# Altium PCB PDB_Mother_v1.1_PCB.PcbDoc (part 3 of 3)
Units mil, origin at the board's own origin, x right, y up, seen from the top; angles counter-clockwise.
Board outline 9606.3 x 3228.35 mil, 4 copper layers (Top Layer, GND, POWER, Bottom Layer), stack 23.756 mil thick; 314 components, 233 nets, 1042 pads, 279 vias.
Unrouted connection lines stored in the file: 171.
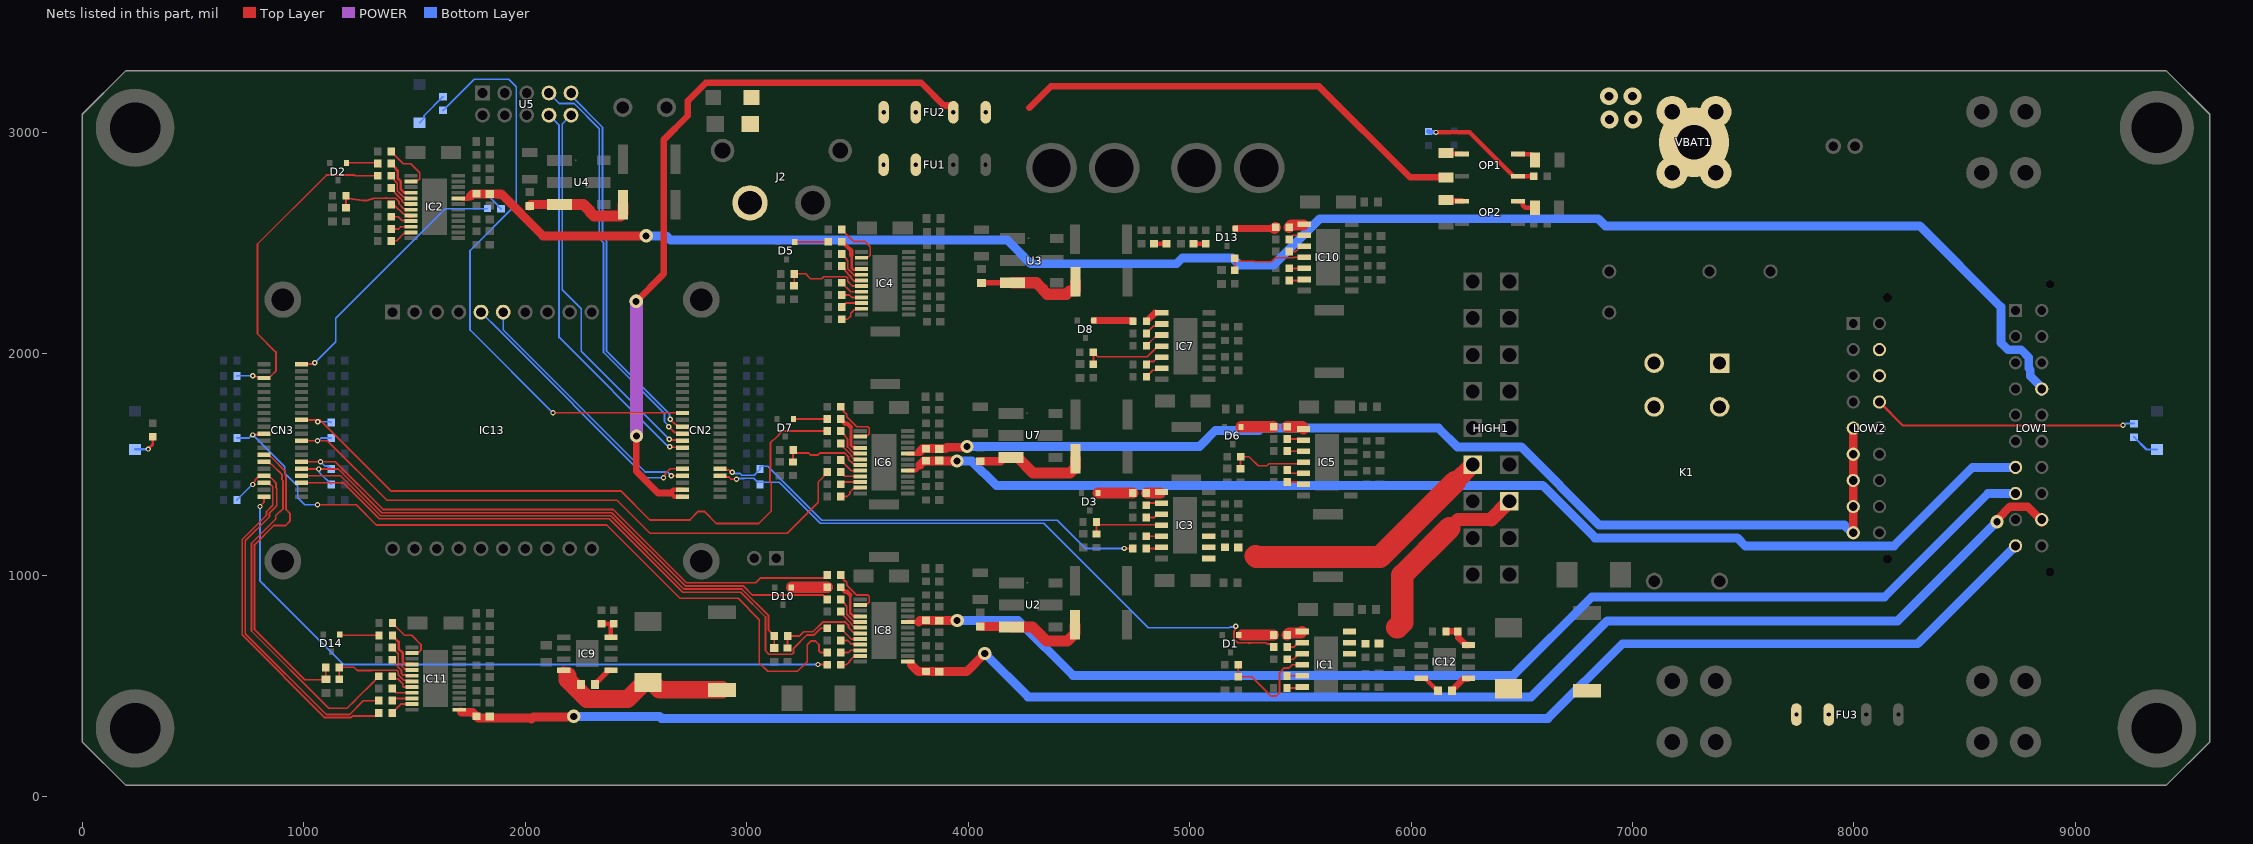
[diagram p4: the nets of this part, all layers, seen from the top]

## Via types
v1: diameter 24, hole 12, Top Layer to Bottom Layer, 120 vias
v2: diameter 60, hole 32, Top Layer to Bottom Layer, 75 vias
v3: diameter 48, hole 24, Top Layer to Bottom Layer, 58 vias
v4: diameter 80, hole 40, Top Layer to Bottom Layer, 12 vias
v5: diameter 314.96, hole 157.48, Top Layer to Bottom Layer, 4 vias
v6: diameter 31.5, hole 31.5, Top Layer to Bottom Layer, 2 vias
v7: diameter 47.24, hole 47.24, Top Layer to Bottom Layer, 2 vias
v8: diameter 80, hole 32, Top Layer to Bottom Layer, 1 vias
v9: diameter 100, hole 50, Top Layer to Bottom Layer, 1 vias
v10: diameter 40, hole 20, Top Layer to Bottom Layer, 1 vias
v11: diameter 48, hole 20, Top Layer to Bottom Layer, 1 vias
v12: diameter 36, hole 20, Top Layer to Bottom Layer, 1 vias
v13: diameter 30, hole 16, Top Layer to Bottom Layer, 1 vias

## Nets (pads, with @x,y where several pads share a name; then routed paths per layer and width w, separated by ;. In a path a pad name is that pad's centre, name@x,y a point inside that pad or via, vN(x,y) a via of type N, cw(c..) or ccw(c..) an arc to the next point about the centre after c; other vN are vias at no path point) (continued)
L4_5V_Backup_EN: CN3.26 R126.2 R131.2 | length 2676.1
  Top Layer w8: CN3.26@990.55,1511.81 990.7,1511.96 1075.58,1511.96 v1(1075.73,1512.11) ; v1@1076.92,1510.92 1078.11,1512.11 1142.1,1512.11 1358.21,1296 2396.99,1296 2727.99,965 3040.23,965 3061.78,986.56 3350.45,986.56 3363.19,999.29 R131.2@3363.19,1000.28
  Bottom Layer w8: v1(1075.73,1512.11) 1095.55,1492.28 1110.76,1492.28 1123.49,1479.55 R126.2@1123.49,1478.57
L4_current_IN6: C46.2 CN3.24 R137.2 | length 2527
  Top Layer w8: CN3.24@990.55,1448.82 1165.79,1448.82 1346.61,1268 2385.4,1268 2716.4,937 2978.4,937 3099,816.4 3099,750.96 3124.21,725.75 C46.2@3124.21,670.28
L4_select0: CN3.23 R127.2 | length 2844
  Top Layer w8: CN3.23@990.55,1417.32 1177.49,1417.32 1340.81,1254 2379.6,1254 2710.6,923 2972.6,923 3085,810.6 3085,657.94 3100.38,642.56 3204.57,642.56 3211.93,649.91 3211.93,669.71 3272.21,730 3305.18,730 3335.18,760 R127.2@3363.98,760
L4_select1: CN3.20 R128.2 | length 3106.4
  Top Layer w8: v1(802,1310) 820.47,1328.47 CN3.20@820.47,1354.33 ; v1(3322,596) 3362.98,596 R128.2@3363.98,595
  Bottom Layer w8: v1(802,1310) 802,975 820,957 822.34,954.66 1181,596 v1(3322,596)
L5_current_IN7: C64.2 CN3.14 R174.2 | length 1429.1
  Top Layer w8: CN3.14@809.7,1543.31 840.16,1543.31 846,1537.46 846,1536.34 850.69,1531.65 854.14,1531.65 916,1469.8 916,1447.78 920,1443.78 920,1296 937.26,1278.74 937.26,1242.76 918.66,1224.16 864.56,1224.16 778,1137.6 778,753.21 1003.69,527.51 C64.2@1099.49,527.51 ; R174.2@1099.49,583.51 1099.49,530.52 C64.2@1100,530.01
L5_select0: CN3.15 R161.2 | length 1653.9
  Top Layer w8: CN3.15@820.47,1511.81 840.16,1511.81 846,1505.97 846,1504.84 850.69,1500.16 854.14,1500.16 902,1452.3 902,1430.28 906,1426.28 906,1299 894.65,1287.65 892.36,1287.65 873.76,1269.06 873.76,1253.16 764,1143.4 764,747.41 1112.94,398.47 1195.06,398.47 1234.45,437.86 1234.45,438.17 1320.03,523.76 1320.03,524.05 1325.26,529.28 1326.24,529.28 1338.98,542.02 R161.2@1338.98,543
L5_select1: CN3.18 R163.2 | length 1535.9
  Top Layer w8: CN3.18@840.16,1417.32 846,1411.48 846,1410.36 850.69,1405.67 854.14,1405.67 860,1399.81 860,1315 831.76,1286.76 831.76,1270.56 722,1160.79 722,730.01 1095.54,356.47 1212.46,356.47 1220.27,364.28 1326.24,364.28 1338.98,377.02 R163.2@1338.98,378
LED_PC12: CN3.40 LED3.1 | length 1191.5
  Top Layer w8: CN3.40@990.55,1952.76 991.49,1953.7 1040.37,1953.7 1045.67,1959 v1(1050,1959)
  Bottom Layer w8: v1(1050,1959) 1144,2053 1144,2160 1638.52,2654.52 LED3.1@1828.7,2654.52
LOGGER_PWR: C45.2 IC8.13 LOW1.19 R140.2 | length 5656.2
  Top Layer w20: IC8.13@3726.77,609.25 3741.86,609.25 3743,608.11 3743,596
  Top Layer w25: LOW1.19@8838.3,1240.48 LOW1.19@8848.11,1230.67
  Top Layer w38: v2(8645.72,1240.89) 8649.93,1245.1 8649.93,1253.55 8705.59,1309.21 8784.11,1309.21 LOW1.19@8843.03,1250.29
  Top Layer w40: 3743,596 3775,564 3993.16,564 v2(4075,645.84)
  Bottom Layer w40: v2(4075,645.84) 4270.84,450 6543,450 6886,793 8197.83,793 v2(8645.72,1240.89)
LOGGER_PWR_EN: CN3.11 R123.2 R135.2 | length 3466.8
  Top Layer w8: v1(770,1633) 772.4,1635.4 818.07,1635.4 CN3.11@820.47,1637.8 ; v1(1062,1318) 1236,1318 1328,1226 2368,1226 2699,895 2961,895 3057,799 3057,603 3094.43,565.57 3229.4,565.57 3273.04,609.2 3273.04,685.81 3289.23,702 3310.77,702 3326,686.77 3326,659.24 3335.24,650 R135.2@3363.98,650
  Bottom Layer w8: R123.2@698.51,1618.55 751.22,1618.55 765.67,1633 v1(770,1633) 913.77,1489.23 913.77,1460.23 972.86,1401.14 972.86,1350.14 1005,1318 v1(1062,1318)
MCU_UBR: C63.2 IC11.13 LOW1.10 R177.2 | length 7371.7
  Top Layer w20: IC11.13@1702.56,391.98 IC11.13@1712.58,391.98
  Top Layer w40: 1712.58,380.83 1751.46,380.83 1751.51,380.78 1761.71,380.78 R177.2@1780,362.49 1788.48,354 2024.79,354 2028.8,350 2037.8,359 2216,359 v2(2219,362)
  Bottom Layer w40: v2(2219,362) 2606.63,362 2615.63,353 6618,353 6955,690 8287.82,690 LOW1.10@8730,1132.18
MCU_UBR_EN: CN3.17 R157.2 R172.2 | length 1763.7
  Top Layer w8: v1(768.94,1409) 768.94,1413.33 780.94,1425.33 780.94,1431.31 786.8,1437.17 789.13,1437.17 796.3,1444.33 835.67,1444.33 840.16,1448.82 846,1442.98 846,1441.85 850.69,1437.17 854.14,1437.17 874,1417.31 874,1395.29 878,1391.29 878,1312.89 845.76,1280.65 845.76,1264.76 736,1154.99 736,735.81 1101.34,370.47 1206.66,370.47 1269.19,433 R172.2@1338.98,433
  Bottom Layer w8: R157.2@698.51,1338.58 698.51,1339.57 767.94,1409 v1(768.94,1409)
NetC37_2: C37.2 R121.1 U2.3 | length 507.9
  Top Layer w40: C37.2@4055,768.5 4191.5,768.5 U2.3@4195,765
  Top Layer w50: U2.3@4195,765 4291,765 4354,702 4448.46,702 4481.89,735.43 R121.1@4481.89,775
NetC38_2: C38.2 R122.1 U3.3 | length 495
  Top Layer w25: C38.2@4060,2318.5 4060.75,2319.25 4199.25,2319.25 U3.3@4200,2320
  Top Layer w50: U3.3@4200,2320 4308.41,2320 4337.7,2290.71 4337.7,2286.49 4355.86,2268.33 4443.75,2268.33 4458.49,2283.07 4481.53,2283.07 4483.89,2285.43 R122.1@4483.89,2325
NetC44_1: C44.1 IC9.1 | length 104.1
  Top Layer w25: C44.1@2314.5,506 2314.5,507.97 2369.48,562.95 2369.48,569.7 2369.78,570 IC9.1@2387,570
NetC44_2: C44.2 D9.1 IC9.8 L1.1 | length 847.8
  Top Layer w50: IC9.8@2173.46,562.82 2191.14,545.14 ; D9.1@2555,515.2 D9.1@2561,515.2 ; L1.1@2889,481.8 L1.1@2915,481.8
  Top Layer w80: 2191.14,545.14 2191.14,526.9 2277.73,440.31 2462.39,440.31 2537.28,515.2 D9.1@2555,515.2 ; D9.1@2561,515.2 2572.72,515.2 2606.12,481.8 L1.1@2889,481.8
NetC50_2: C50.2 R147.1 U4.3 | length 495.7
  Top Layer w25: U4.3@2151.75,2669.75 U4.3@2155,2673
  Top Layer w40: C50.2@2020,2666.5 2026.5,2673 2148.5,2673 U4.3@2151.75,2669.75
  Top Layer w50: U4.3@2155,2673 2263.41,2673 2292.7,2643.71 2292.7,2639.49 2310.86,2621.33 2429.79,2621.33 2441.89,2633.43 R147.1@2441.89,2673
NetC55_1: C55.1 IC12.1 | length 99.5
  Top Layer w30: C55.1@6184.5,478 6184.5,479.97 6236.52,531.99 6257.34,531.99 IC12.1@6259.54,534.2
NetC55_2: C55.2 D12.1 IC12.8 L2.1 | length 99.9
  Top Layer w20: IC12.8@6046,534.2 6063.22,534.2 6109.74,487.69 6113.79,487.69 6121.5,479.97 C55.2@6121.5,478
NetC60_2: C60.2 R167.1 U7.3 | length 482.8
  Top Layer w40: C60.2@4054.21,1513.78 4145.82,1513.78 4162.32,1530.28 U7.3@4194.21,1530.28
  Top Layer w50: U7.3@4225.7,1529.88 4293.59,1462 4460.5,1462 4484.21,1485.71 R167.1@4484.21,1525.28
NetD1_1: D1.1 R24.2 | length 143.5
  Top Layer w50: 5236,730 R24.2@5379.49,730
NetD2_1: D2.1 R53.1 | length 163.6
  Top Layer w8: D2.1@1192.4,2861.74 1330.75,2861.74 1330.75,2860.76 1347.22,2844.28 R53.1@1348.2,2844.28
NetD3_1: D3.1 R55.2 | length 157.3
  Top Layer w50: D3.1@4586.61,1369.88 4587.24,1370.51 R55.2@4743.7,1370.51
NetD4_1: D4.1 FU1.2 FU2.1 J2.2 U1.1
NetD5_1: D5.1 R81.1 | length 153.3
  Top Layer w8: D5.1@3216.61,2504.65 3368.07,2504.65 R81.1@3368.7,2505.28 R81.1@3368.7,2506.26
NetD6_1: D6.1 R85.2 | length 147.3
  Top Layer w50: D6.1@5232.4,1669.37 5233.03,1670 R85.2@5379.49,1670
NetD7_1: D7.1 R108.1 | length 152
  Top Layer w8: D7.1@3211.61,1704.65 R108.1@3363.62,1704.65
NetD8_1: D8.1 R119.2 | length 177.3
  Top Layer w30: D8.1@4567.4,2149.37 4743.86,2149.37 R119.2@4744.49,2150
NetD10_1: D10.1 R141.1 | length 162.3
  Top Layer w50: D10.1@3201.61,944.65 3202.24,945.28 R141.1@3363.7,945.28
NetD13_1: D13.1 R162.2 | length 183.9
  Top Layer w30: D13.1@5206.61,2564.88 R162.2@5382.56,2564.88
  Top Layer w50: R162.2@5382.56,2564.88 R162.2@5388.19,2570.51
NetD14_1: D14.1 R178.1 | length 178.9
  Top Layer w8: D14.1@1162.4,732.37 1166.77,728 R178.1@1339.49,728
NetFU3_1: FU3.1 K1.3 K1.4
NetIC1_1: IC1.1 R24.1 | length 74.6
  Top Layer w50: R24.1@5440.51,730 5449.31,738.8 5503.21,738.8 5508.23,743.82 IC1.1@5508.23,745
NetIC1_2: IC1.2 R14.1 | length 76
  Top Layer w8: R14.1@5440.51,675 5471,675 5491,695 IC1.2@5508.23,695
NetIC1_3: IC1.3 R6.1 | length 80
  Top Layer w8: R6.1@5440.51,620 5469.24,620 5482.21,632.96 5482.21,636.2 5491,645 IC1.3@5508.23,645
NetIC1_4: IC1.4 R21.1 R23.2 | length 490.7
  Top Layer w8: R21.1@5220,595 R23.2@5220,540.51 5280.49,540.51 5352.24,468.76 5352.24,468.14 5358.1,462.28 5358.72,462.28 5367,454 5391.57,454 5406.33,468.76 5406.33,559.92 5427.34,580.93 5450.03,580.93 5464.1,595 IC1.4@5508.23,595
NetIC1_5: IC1.5 R11.1 | length 68.2
  Top Layer w8: R11.1@5440,545 IC1.5@5508.23,545
NetIC1_6: IC1.6 R17.1 | length 70.3
  Top Layer w8: R17.1@5440,490 5503.23,490 IC1.6@5508.23,495
NetIC2_2: IC2.2 R35.1 | length 240.3
  Top Layer w8: R35.1@1395.51,2913 1395.51,2912.02 1449.65,2857.88 1482.63,2857.88 1524.04,2816.47 1524.04,2790.47 1516.31,2782.74 1488.88,2782.74 IC2.2@1484.02,2777.88
NetIC2_4: IC2.4 R53.2 | length 185.8
  Top Layer w12: R53.2@1395.51,2858 1395.51,2857.02 1413.99,2838.54 1413.99,2835.94 1424.24,2825.69 1424.24,2790.49 1438.24,2776.49 1438.24,2741.96 1453.5,2726.7 IC2.4@1484.02,2726.7
NetIC2_5: IC2.5 R39.1 | length 147.3
  Top Layer w8: R39.1@1395.51,2803 1408.24,2790.27 1408.24,2783.86 1422.24,2769.86 1422.24,2735.33 1451.6,2705.97 1464.86,2705.97 IC2.5@1474.58,2696.25
NetIC2_6: IC2.6 R26.1 | length 130.1
  Top Layer w8: R26.1@1395.51,2748 1408.24,2735.27 1408.24,2729.07 1444,2693.32 1444,2688.11 1451.73,2680.38 1479.16,2680.38 IC2.6@1484.02,2675.52 ; IC2.6@1479.16,2668.79 IC2.6@1484.02,2668.79
NetIC2_7: IC2.7 R47.1 R51.2 | length 384.4
  Top Layer w8: R51.2@1190.51,2657 R47.1@1190.51,2713 1203.24,2700.27 1267.72,2691.49 ccw(c1275,2745) 1291.94,2693.73 1313.1,2700.72 1315.1,2700.77 1368.08,2702.3 1374.7,2702.3 1375,2702 1414.59,2702 1430,2686.59 1430,2676.52 1451.73,2654.79 1479.16,2654.79 IC2.7@1484.02,2649.93
NetIC2_8: IC2.8 R31.1 | length 129
  Top Layer w8: R31.1@1395,2673 1397,2671 1409.39,2671 1451.19,2629.2 1479.16,2629.2 IC2.8@1484.02,2624.34 ; IC2.8@1471.71,2617.61 IC2.8@1491.51,2617.61
NetIC2_9: IC2.9 R42.1 | length 97
  Top Layer w8: R42.1@1395,2618 1425.67,2618 1442,2601.67 1481.1,2601.67 IC2.9@1484.02,2598.75
NetIC2_10: IC2.10 R45.1 | length 93.2
  Top Layer w8: R45.1@1395,2563 1427.79,2563 1437.95,2573.16 IC2.10@1484.02,2573.16
NetIC2_11: IC2.11 R32.1 | length 105.4
  Top Layer w8: R32.1@1395,2508 1397.02,2510.02 1419.05,2510.02 1451.73,2542.71 1479.16,2542.71 IC2.11@1484.02,2547.57
NetIC3_1: IC3.1 R55.1 | length 64
  Top Layer w50: R55.1@4804.72,1370.51 IC3.1@4868.74,1370.51
NetIC3_2: IC3.2 R41.1 | length 72.4
  Top Layer w8: R41.1@4804.72,1315.51 4814.21,1325 IC3.2@4873.23,1325
NetIC3_3: IC3.3 R34.1 | length 74.5
  Top Layer w8: R34.1@4804.72,1260.51 4841.52,1260.51 4856,1275 IC3.3@4873.23,1275
NetIC3_4: IC3.4 R48.1 R54.2 | length 355.6
  Top Layer w8: R54.2@4579.21,1185.51 4579.72,1186.02 R48.1@4579.72,1240.51 4579.72,1239.73 4592.45,1227 4871.23,1227 IC3.4@4873.23,1225
NetIC3_5: IC3.5 R38.1 | length 68.7
  Top Layer w8: R38.1@4804.72,1175.51 4872.72,1175.51 IC3.5@4873.23,1175
NetIC3_6: IC3.6 R44.1 | length 70.4
  Top Layer w8: R44.1@4804.72,1120.51 4868.74,1120.51 IC3.6@4873.23,1125
NetIC4_2: IC4.2 R65.1 | length 242.8
  Top Layer w8: R65.1@3429.72,2560.28 3429.72,2559.29 3482.01,2507 3533,2507 3558.02,2481.98 3558.02,2445.77 3550.29,2438.04 3522.86,2438.04 IC4.2@3518,2433.18
NetIC4_4: IC4.4 R81.2 | length 158.2
  Top Layer w12: 3474.99,2444.27 3474.99,2386.96 3483.24,2378.71 IC4.4@3492.33,2378.71
  Top Layer w20: R81.2@3429.72,2505.28 3429.72,2504.29 3436.45,2497.56 3439.51,2497.56 3453.08,2483.99 3471.59,2465.48 3471.59,2444.27
NetIC4_5: IC4.5 R66.1 | length 147.7
  Top Layer w8: R66.1@3429.72,2450.28 3429.72,2449.29 3450.21,2428.8 3450.21,2426.15 3456.45,2419.91 3456.45,2382.73 3485.94,2353.24 IC4.5@3513.37,2353.24
NetIC4_6: IC4.6 R57.1 | length 118.3
  Top Layer w8: R57.1@3429.72,2395.28 3442.45,2382.54 3442.45,2376.35 3470.73,2348.07 3470.73,2342.86 3485.94,2327.65 IC4.6@3513.37,2327.65
NetIC4_7: IC4.7 R75.1 R79.2 | length 398
  Top Layer w8: R79.2@3214.21,2305.79 3214.72,2306.3 R75.1@3214.72,2360.28 3265.96,2360.28 3288.23,2338 3338.39,2338 3348.1,2347.72 3450.87,2347.72 3456.73,2341.86 3456.73,2326.27 3477.77,2305.23 IC4.7@3518,2305.23
NetIC4_8: IC4.8 R62.1 | length 108.1
  Top Layer w8: R62.1@3430,2320 3430,2319.02 3469.38,2279.64 IC4.8@3518,2279.64 ; IC4.8@3515.1,2276.74 IC4.8@3517.07,2274.78
NetIC4_9: IC4.9 R68.1 | length 92.5
  Top Layer w8: R68.1@3430,2265 3464.31,2265 3475.26,2254.05 IC4.9@3518,2254.05
NetIC4_10: IC4.10 R72.1 | length 96.2
  Top Layer w8: R72.1@3430,2210 3430,2210.98 3442.73,2223.72 3443.72,2223.72 3448.46,2228.46 IC4.10@3518,2228.46
NetIC4_11: IC4.11 R63.1 | length 115
  Top Layer w8: R63.1@3430,2155 3455,2155 3469.42,2169.42 3469.42,2181.71 3485.71,2198.01 3513.14,2198.01 IC4.11@3518,2202.87
NetIC5_1: IC5.1 R85.1 | length 95.9
  Top Layer w8: R85.1@5440.51,1670 R85.1@5451.02,1659.49
  Top Layer w50: R85.1@5440.51,1670 5509,1670 5514.02,1664.98 IC5.1@5514.02,1659.49
NetIC5_2: IC5.2 R76.1 | length 75.3
  Top Layer w8: R76.1@5441.02,1615 5508.51,1615 IC5.2@5514.02,1609.49
NetIC5_3: IC5.3 R69.1 | length 73.2
  Top Layer w8: R69.1@5441.02,1560 5441.54,1559.49 IC5.3@5514.02,1559.49
NetIC5_4: IC5.4 R82.1 R84.2 | length 361.1
  Top Layer w8: R84.2@5230,1480 R82.1@5230,1533.98 ; R82.1@5230.51,1534.49 5268.27,1534.49 5309.26,1493.5 5349.4,1493.5 5358.61,1502.72 5507.25,1502.72 IC5.4@5514.02,1509.49
NetIC5_5: IC5.5 R73.1 | length 80.5
  Top Layer w8: R73.1@5440.51,1475 5440.51,1474.02 5455.04,1459.49 IC5.5@5514.02,1459.49
NetIC5_6: IC5.6 R78.1 | length 77.9
  Top Layer w8: R78.1@5440.51,1420 5486.28,1420 5496.8,1409.49 IC5.6@5514.02,1409.49
NetIC6_2: IC6.2 R95.1 | length 251.9
  Top Layer w8: R95.1@3425,1760 3437.73,1747.27 3437.73,1737.4 3442.42,1732.72 3445.87,1732.72 3451.73,1726.86 3451.73,1715.27 3497.39,1669.61 3547.39,1669.61 3553.25,1663.75 3553.25,1637.75 3545.52,1630.02 3518.09,1630.02 IC6.2@3513.23,1625.16
NetIC6_4: IC6.4 R108.2 | length 191
  Top Layer w12: 3469.85,1668.87 3471.21,1667.51 3471.21,1585.74 3478.24,1578.71 3487.33,1578.71 3492.07,1573.98 IC6.4@3513.23,1573.98
  Top Layer w20: R108.2@3425,1705 3425,1704.02 3445.3,1683.72 3455,1683.72 3469.85,1668.87
NetIC6_5: IC6.5 R96.1 | length 154.2
  Top Layer w8: R96.1@3425,1650 3425,1649.02 3445.21,1628.81 3445.21,1626.15 3455.21,1616.15 3455.21,1578.98 3480.94,1553.24 3508.37,1553.24 IC6.5@3513.23,1548.39
NetIC6_6: IC6.6 R87.1 | length 124.8
  Top Layer w8: R87.1@3425,1595 3437.73,1582.27 3437.73,1576.07 3473.21,1540.6 3473.21,1535.39 3480.94,1527.65 3508.37,1527.65 IC6.6@3513.23,1522.8
NetIC6_7: IC6.7 R101.1 R103.2 | length 400.1
  Top Layer w8: R103.2@3209.21,1510.79 3209.21,1564.76 R101.1@3209.72,1565.28 ; R101.1@3209.72,1564.29 3222.45,1551.56 3279.7,1551.56 3289.26,1542 3320.74,1542 3330.3,1551.56 3442.03,1551.56 3459.21,1534.38 3459.21,1523.79 3480.94,1502.06 3508.37,1502.06 IC6.7@3513.23,1497.2
NetIC6_8: IC6.8 R92.1 | length 108.8
  Top Layer w8: R92.1@3425,1520 3425,1519.02 3472.4,1471.61 IC6.8@3513.23,1471.61
NetIC6_9: IC6.9 R98.1 | length 96.7
  Top Layer w8: R98.1@3425,1465 3425,1464.02 3442.99,1446.02 IC6.9@3513.23,1446.02
NetIC6_10: IC6.10 R99.1 | length 92.5
  Top Layer w8: R99.1@3425,1410 3435.43,1420.43 IC6.10@3513.23,1420.43
NetIC6_11: IC6.11 R93.1 | length 109.3
  Top Layer w8: R93.1@3425,1355 3453.73,1355 3466.4,1367.67 3466.4,1375.44 3480.94,1389.98 3508.37,1389.98 IC6.11@3513.23,1394.84
NetIC7_1: IC7.1 R119.1 | length 84.8
  Top Layer w20: 4843.51,2184 IC7.1@4874,2184
  Top Layer w30: R119.1@4805.51,2146 4805.51,2146.98 4807.24,2148.72 4808.23,2148.72 4843.51,2184
NetIC7_2: IC7.2 R109.1 | length 86.9
  Top Layer w8: R109.1@4805.51,2091 4805.51,2091.98 4838.73,2125.2 4865.2,2125.2 IC7.2@4874,2134
NetIC7_3: IC7.3 R102.1 | length 88.9
  Top Layer w8: R102.1@4805.51,2036 4805.51,2036.98 4808.53,2040 4843.73,2075.2 4865.2,2075.2 IC7.3@4874,2084
NetIC7_4: IC7.4 R112.1 R115.2 | length 389.9
  Top Layer w8: R115.2@4565,1951.51 4565.51,1952.02 R112.1@4565.51,2005 ; R112.1@4565.53,2005 4584.53,1986 4808.78,1986 4856.78,2034 IC7.4@4874,2034
NetIC7_5: IC7.5 R107.1 | length 82.7
  Top Layer w8: R107.1@4805.51,1951 4805.51,1951.98 4818.24,1964.72 4837.49,1964.72 4856.78,1984 IC7.5@4874,1984
NetIC7_6: IC7.6 R111.1 | length 89.8
  Top Layer w8: R111.1@4808.53,1900 4805.51,1896.98 R111.1@4805.51,1896 4809.02,1899.51 R111.1@4820.25,1910.73 ; R111.1@4819.75,1911.23 4833.73,1925.2 4865.2,1925.2 IC7.6@4874,1934
NetIC8_2: IC8.2 R131.1 | length 253.4
  Top Layer w8: R131.1@3424.21,1000.28 3436.94,987.54 3436.94,977.68 3441.63,972.99 3445.59,972.99 3451.45,967.13 3451.45,954.55 3496.39,909.61 3547.39,909.61 3553.25,903.75 3553.25,877.75 3545.52,870.02 3518.09,870.02 IC8.2@3513.23,865.16
NetIC8_4: IC8.4 R141.2 | length 190.8
  Top Layer w12: 3466.86,910.86 3467.45,910.26 3467.45,829.49 3480.11,816.83 3510.37,816.83 IC8.4@3513.23,813.98
  Top Layer w20: R141.2@3424.72,945.28 3424.72,944.29 3445.02,923.99 3453.72,923.99 3466.86,910.86
NetIC8_5: IC8.5 R132.1 | length 154.6
  Top Layer w8: R132.1@3424.72,890.28 3424.72,889.29 3445.21,868.8 3445.21,866.15 3451.45,859.91 3451.45,822.73 3480.94,793.24 3508.37,793.24 IC8.5@3513.23,788.39
NetIC8_6: IC8.6 R120.1 | length 125.2
  Top Layer w8: R120.1@3424.72,835.28 3437.45,822.54 3437.45,816.35 3473.21,780.59 3473.21,775.39 3480.94,767.65 3508.37,767.65 IC8.6@3513.23,762.8
NetIC8_7: IC8.7 R137.1 R139.2 | length 436.2
  Top Layer w8: R139.2@3184.21,670.79 3184.21,724.76 R137.1@3184.72,725.28 3239.06,725.28 3257.78,744 3299.39,744 3343.1,787.72 3445.87,787.72 3459.21,774.38 3459.21,763.79 3480.94,742.06 3508.37,742.06 IC8.7@3513.23,737.2
NetIC8_8: IC8.8 R127.1 | length 108.8
  Top Layer w8: R127.1@3425,760 3425,759.02 3472.4,711.61 IC8.8@3513.23,711.61
NetIC8_9: IC8.9 R134.1 | length 96.1
  Top Layer w8: R134.1@3425,705 3455.41,705 3471.21,689.2 3510.05,689.2 IC8.9@3513.23,686.02
NetIC8_10: IC8.10 R135.1 | length 92.5
  Top Layer w8: R135.1@3425,650 3459.68,650 3470.12,660.43 IC8.10@3513.23,660.43
NetIC8_11: IC8.11 R128.1 | length 107.1
  Top Layer w8: R128.1@3425,595 3450,595 3464.53,609.53 3464.53,613.58 3480.94,629.98 3508.37,629.98 IC8.11@3513.23,634.84
NetIC9_4: IC9.4 R144.1 R152.2 | length 121.5
  Top Layer w20: R144.1@2344,780.49 R152.2@2399.02,780.49 ; IC9.4@2387,720 2387,768.47 R152.2@2399.02,780.49 ; R152.2@2400,780.49 R152.2@2399.02,780.49
NetIC10_1: IC10.1 R162.1 | length 67.9
  Top Layer w50: R162.1@5449.21,2570.51 5458.7,2580 IC10.1@5513.23,2580
NetIC10_2: IC10.2 R149.1 | length 77.7
  Top Layer w8: R149.1@5449.21,2515.51 5449.21,2516.5 5467.71,2535 IC10.2@5518.23,2535
NetIC10_3: IC10.3 R143.1 | length 80
  Top Layer w8: R143.1@5449.21,2460.51 5477.94,2460.51 5492.21,2474.78 5492.21,2476.2 5501,2485 IC10.3@5518.23,2485
NetIC10_4: IC10.4 R153.1 R155.2 | length 382.8
  Top Layer w8: R155.2@5204.21,2376.02 R153.1@5204.21,2430 ; R153.1@5204.72,2430.51 5204.72,2429.53 5217.45,2416.8 5291.57,2416.8 5293.37,2415 5369.08,2415 5386.88,2432.8 5470.08,2432.8 5472.29,2435 IC10.4@5518.23,2435
NetIC10_5: IC10.5 R148.1 | length 69.2
  Top Layer w8: R148.1@5449.21,2385.51 5449.72,2385 IC10.5@5518.23,2385
NetIC10_6: IC10.6 R151.1 | length 70.9
  Top Layer w8: R151.1@5449.21,2330.51 5513.74,2330.51 IC10.6@5518.23,2335
NetIC11_2: IC11.2 R166.1 | length 236.3
  Top Layer w8: R166.1@1400.51,783 1400.51,782.02 1454.65,727.88 1487.63,727.88 1529.04,686.47 1529.04,660.47 1521.31,652.74 1497.92,652.74 IC11.2@1493.07,647.88
NetIC11_4: IC11.4 R178.2 | length 185.7
  Top Layer w12: R178.2@1400.51,728 1400.51,727.02 1428.73,698.8 1428.73,666.9 1447,648.63 1447,608.46 1455.9,599.56 1486.16,599.56 IC11.4@1489.02,596.7
NetIC11_5: IC11.5 R168.1 | length 167
  Top Layer w8: R168.1@1400,673 1400,672.02 1426.73,645.28 1426.73,604.46 1455.22,575.97 1493.86,575.97 IC11.5@1499.83,570
NetIC11_6: IC11.6 R156.1 | length 131.8
  Top Layer w8: R156.1@1400,618 1412.73,605.27 1412.73,598.66 1440.73,570.66 1440.73,555.48 1447,549.22 1485.32,549.22 IC11.6@1489.02,545.52
NetIC11_7: IC11.7 R174.1 R176.2 | length 420.6
  Top Layer w8: R176.2@1160,527 R176.2@1160.51,527.51 ; R176.2@1160,529.02 1160,583 R174.1@1160.51,583.51 1226.74,583.51 1241.25,569 1309,569 1310.72,570.72 1420.87,570.72 1426.73,564.86 1426.73,549.69 1451.63,524.79 1484.16,524.79 IC11.7@1489.02,519.93
NetIC11_8: IC11.8 R161.1 | length 115
  Top Layer w8: R161.1@1400,543 1411.24,531.76 1423.63,531.76 1446.41,508.98 1446.41,499.02 1451.1,494.34 IC11.8@1489.02,494.34
NetIC11_9: IC11.9 R171.1 | length 97.6
  Top Layer w8: R171.1@1400,488 1400,487.02 1418.27,468.75 IC11.9@1489.02,468.75
NetIC11_10: IC11.10 R172.1 | length 94.1
  Top Layer w8: R172.1@1400,431 1412.16,443.16 IC11.10@1489.02,443.16
NetIC11_11: IC11.11 R163.1 | length 106
  Top Layer w8: R163.1@1400,378 1400,378.98 1438.58,417.57 IC11.11@1489.02,417.57
NetIC12_4: IC12.4 R169.1 R175.2 | length 142.7
  Top Layer w30: R175.2@6158,746 R169.1@6211.49,746 6213.22,744.27 6213.22,717.7 6246.73,684.2 IC12.4@6259.54,684.2
NetLED1_2: LED1.2 OP1.3 R16.2 | length 559.4
  Top Layer w20: v1(6113,2999) 6264.5,2999 6462.5,2801 R16.2@6553.49,2801
  Bottom Layer w20: LED1.2@6078.14,3003.92 6082.29,2999.77 6112.23,2999.77 v1(6113,2999)
NetLED3_2: LED3.2 R138.1 | length 89.8
  Bottom Layer w8: LED3.2@1828.97,2717.48 1876.28,2670.17 1876.28,2666.27 1889.02,2653.54 R138.1@1890,2653.54
NetOP1_1: OP1.1 R7.1 | length 86
  Top Layer w20: R7.1@6145.81,2901 6146.81,2902 6230,2902 OP1.1@6231,2901
NetOP1_4: OP1.4 R2.2 | length 94.6
  Top Layer w20: OP1.4@6483,2901 6484,2900 6484.21,2900.21 6544.5,2900.21 6559.88,2884.83 R2.2@6559.88,2874
NetOP2_1: OP2.1 R10.1 | length 75.1
  Top Layer w25: R10.1@6158,2693.56 6161.62,2689.94 6229.5,2689.94 OP2.1@6231,2688.44
NetOP2_4: OP2.4 R5.2 | length 97.9
  Top Layer w20: OP2.4@6483,2688.44 6503.34,2688.44 6504.34,2687.44 6504.34,2670.72 6516.06,2659 R5.2@6558.88,2659
NetR3_1: R3.1 R12.1 | length 56
  Top Layer w20: R12.1@5017,2496 R3.1@5073,2496
NetR4_1: R4.1 R13.1 | length 56
  Top Layer w20: R13.1@4839,2496 R4.1@4895,2496
NetR50_2: R50.2 RST1.1 | length 125.2
  Top Layer w12: v1(298,1569) 298,1570.76 318,1590.76 R50.2@318,1625.49
  Bottom Layer w12: RST1.1@238.19,1567.52 239.67,1569 v1(298,1569)
NetR117_2: R117.2 RST2.1 | length 126.1
  Bottom Layer w10: R117.2@9265,1623.03 9265.98,1623.03 9321.49,1567.52 RST2.1@9368.11,1567.52
NetR130_2: R130.2 RST3.1 | length 161
  Bottom Layer w8: RST3.1@1523,3042.98 1543.01,3062.99 1543.01,3074.51 1628.02,3159.51 R130.2@1629,3159.51
NRST: CN2.8 R130.1 | length 2702.5
  Top Layer w8: v1(2125,1733) 2125.36,1732.64 2709.88,1732.64 CN2.8@2710.24,1732.28
  Bottom Layer w8: R130.1@1629,3098.49 1629.98,3098.49 1642.72,3111.22 1642.72,3112.2 1769.51,3239 1926,3239 1959.54,3205.46 1959.54,2674.48 1751,2465.95 1751,2107 v1(2125,1733)
PUMP_CTRL: LOW2.11
PUMP_PWR: C11.2 HIGH1.13 IC3.8 IC3.9 IC3.10 R49.2 | length 1156.4
  Top Layer w80: 6198.33,1420.67 6200.5,1420.67 HIGH1.13@6278.65,1498.82
  Top Layer w100: 5297,1087 5302,1082 5859.65,1082 6198.33,1420.67
PUMP_PWR_EN: CN2.25 R36.2 R44.2 | length 2054.6
  Top Layer w8: CN2.25@2880.31,1480.31 2886.16,1474.47 2920.91,1474.47 2930.87,1464.52 v1(2935.2,1464.52) ; v1(4705,1120.51) R44.2@4743.7,1120.51
  Bottom Layer w8: v1(2935.2,1464.52) 2938.26,1461.45 2945.04,1461.45 2947.18,1459.31 2969.66,1459.31 2978.12,1450.85 3033.28,1450.85 3060.02,1477.58 3060.02,1491.78 3094.62,1491.78 3338.4,1248 4402.2,1248 4529.69,1120.51 v1(4705,1120.51)
SWCLK: CN2.12 U5.10 | length 1743.6
  Top Layer w8: v1(2650,1613) 2653.06,1609.94 2706.6,1609.94 CN2.12@2710.24,1606.3
  Bottom Layer w8: U5.10@2207,3077 2167,3037 2167,2288.06 2252.93,2202.13 2252.93,2010.07 v1(2650,1613)
SWDIO: CN2.13 U5.8 | length 1786.6
  Top Layer w8: v1(2652.46,1579.09) 2654.6,1576.95 2708.09,1576.95 CN2.13@2710.24,1574.8
  Bottom Layer w8: U5.8@2107,3077 2153,3031 2153,2976 2152.93,2975.93 2152.93,2073.3 2639.23,1587 2640.22,1587 2648.13,1579.09 v1(2652.46,1579.09)
TAILLIGHT_PWR: C8.2 IC2.20 LOW1.14 R40.2 | length 7842
  Top Layer w20: IC2.20@1717.58,2700.38 1743.13,2700.38
  Top Layer w40: 1753.58,2711.24 1763.84,2721.5 1780,2721.5 1890.83,2721.5 2080.33,2532 v2(2546,2532)
  Bottom Layer w25: LOW1.14@8838.3,1831.03 LOW1.14@8848.11,1821.22
  Bottom Layer w38: 8668,2044.61 8694.73,2017.87 8754.41,2017.87 8789.19,1983.09 8789.19,1934.55 8796,1927.74 8796,1898.86 8848.11,1846.75 LOW1.14@8848.11,1840.84
  Bottom Layer w40: v2(2546,2532) 2637,2532 2656,2513 4176,2513 4283.23,2405.77 4940.77,2405.77 4967,2432 5193,2432 5226,2399 5378.55,2399 5588.55,2609 6845,2609 6877,2577 8297,2577 8663.5,2210.5 8663.5,2049.11 8668,2044.61
TAILLIGHT_PWR_EN: CN3.3 R29.2 R39.2 | length 1475.6
  Top Layer w8: v1(769.76,1900.08) 774.09,1900.08 778.57,1895.61 814.67,1895.61 CN3.3@820.4,1889.88 ; CN3.3@820.47,1889.76 840.16,1889.76 851.81,1901.42 854.14,1901.42 874,1921.28 874,2006.86 791,2089.86 791,2494.97 1102.81,2806.78 1228.51,2806.78 1232.29,2803 R39.2@1334.49,2803
  Bottom Layer w8: R29.2@698.51,1898.51 700.08,1900.08 v1(769.76,1900.08)
Temperature_PWR: C27.2 IC6.20 LOW2.5 LOW2.6 LOW2.7 LOW2.8 LOW2.9 R97.2 | length 4982.1
  Top Layer w20: IC6.20@3726.77,1548.39 3782.79,1548.39
  Top Layer w40: 3782.79,1558.52 3795.14,1570.86 3809.21,1570.86 3898.84,1570.86 3905.33,1577.35 3990.7,1577.35 v2(3994.52,1581.17) ; LOW2.9@7996.89,1191.29 LOW2.8@7996.89,1309.4 LOW2.7@7996.89,1427.51 LOW2.6@7996.89,1545.62 LOW2.5@7996.89,1663.73
  Bottom Layer w40: v2(3994.52,1581.17) 5045.17,1581.17 5116.76,1652.76 5313.3,1652.76 5324.54,1664 6124,1664 6209,1579 6497,1579 6850,1226 7956.81,1226 7991.52,1191.29 LOW2.9@7996.89,1191.29
Temperature_PWR_EN: CN3.32 R90.2 R96.2 | length 3031.4
  Top Layer w8: CN3.32@990.55,1700.79 990.66,1700.89 v1@1063.62,1700.89 ; v1(1063.62,1692.62) v1@1063.62,1700.89 ; R96.2@3363.98,1650 3363.07,1650.91 3198.71,1650.91 3198.46,1651.15 3169.47,1651.15 3169.23,1650.91 3159.48,1650.91 3152.4,1643.83 3146.25,1634.7 cw(c3103.12,1663.75) 3136.9,1624.22 3111.69,1602.67 3107,1597.99 3107,1477.91 3105.52,1476.44 3105.52,1421.12 3111.24,1415.4 3111.24,1289.45 3054.8,1233 2863.08,1233 2808.43,1287.65 2782.13,1287.65 2743.47,1249 2562.79,1249 2431.79,1380 1393,1380 1072,1701 1071.89,1700.89 v1@1063.62,1700.89
  Bottom Layer w8: v1(1063.62,1692.62) 1119.41,1692.62 R90.2@1123.49,1688.54
TSALR_PWR: C41.2 IC8.20 LOW1.8 R133.2 | length 5448.9
  Top Layer w20: IC8.20@3726.77,788.39 3776.83,788.39
  Top Layer w40: 3776.83,788.39 3782.94,794.5 3809.21,794.5 3949.79,794.5 v2(3950.23,794.95)
  Bottom Layer w40: v2(3950.23,794.95) 3950.68,794.5 4226.13,794.5 4473.63,547 6462.35,547 6816.35,901 8138,901 8605.4,1368.4 LOW1.8@8730,1368.4
TSALR_PWR_EN: CN3.25 R125.2 R132.2 | length 2711.5
  Top Layer w8: CN3.25@990.55,1480.31 991.21,1479.66 1067.34,1479.66 v1(1068,1479) 1155.41,1479 1352.41,1282 2391.2,1282 2722.2,951 2985,951 3026.35,909.65 3345.31,909.65 3363.7,891.26 R132.2@3363.7,890.28
  Bottom Layer w8: v1(1068,1479) 1071.06,1475.94 1071.06,1461.98 1123.49,1409.56 R125.2@1123.49,1408.57
USART1_RX: CN2.11 U5.7 | length 1846
  Top Layer w8: v1(2648,1670) 2674.36,1643.64 2704.39,1643.64 CN2.11@2710.24,1637.8
  Bottom Layer w8: U5.7@2107,3177 2154.46,3129.54 2221.59,3129.54 2334.68,3016.44 2334.68,2520.38 2353.5,2501.56 2353.5,2005.5 2628.02,1730.98 2629,1730 2629,1692.36 2648,1673.36 v1(2648,1670)
USART1_TX: CN2.10 U5.9 | length 1729.1
  Top Layer w8: v1(2655,1704) 2655,1702.51 2676.57,1680.95 2678.9,1680.95 2690.55,1669.29 CN2.10@2710.24,1669.29
  Bottom Layer w8: U5.9@2207,3177 2207,3164 2348.68,3022.32 2348.68,2526.18 2367.5,2507.36 2367.5,2011.3 2651.94,1726.86 2651.94,1707.06 v1(2655,1704)
USART2_RX: CN2.16 IC13.5 | length 1242.3
  Top Layer w8: v1(2624,1440) 2624,1444.33 2633,1453.33 2633,1458.77 2654.55,1480.32 CN2.16@2710.24,1480.32
  Bottom Layer w8: IC13.5@1800.39,2187.54 1886.39,2101.54 1886.39,2100.81 2547.2,1440 v1(2624,1440)
USART2_TX: CN2.17 IC13.6 | length 1160.6
  Top Layer w8: v1(2659,1448) 2659.41,1448.41 2709.83,1448.41 CN2.17@2710.24,1448.82
  Bottom Layer w8: IC13.6@1900.39,2184.17 1900.39,2106.61 2541,1466 2640.67,1466 2658.67,1448 v1(2659,1448)
VBAT: CN2.19 CN2.20 FU2.2 K1.1 K1.2 R7.2 VBAT1.1 VBAT1.2 VBAT1.3 VBAT1.4 | length 5508.7
  Top Layer w20: CN2.20@2710.24,1354.33 2710.08,1354.49 2672.51,1354.49 2657,1370 2657,1371 2657,1374.27 2668.72,1385.98 2710.08,1385.98 CN2.19@2710.24,1385.83
  Top Layer w30: v2(2501,2236) 2625,2360 2625,2965.22 2734,3074.22 2734,3140.92 2816.08,3223 3788,3223 3890.15,3120.85 3925.32,3120.85 3933.29,3112.89 FU2.2@3933.29,3090 ; v2(2502,1628) 2502,1468.45 2599.45,1371 2657,1371 ; FU2.2@4078.96,3090 FU2.2@4078.96,3117.55 ; 4276,3110 4373,3207 5585,3207 5996.12,2795.88 R7.2@6158,2795.88
  POWER w60: v2(2501,2236) 2502,2235 v2(2502,1628)
  other v4: 6896,3057 7002,3057 6894,3162 7000,3162
  other v5: 7277.43,2954.8
VCU_Bootloader: LOW2.13 R117.1 | length 1197.2
  Top Layer w10: LOW2.13@8115,1781.84 8220.84,1676 v1(9215,1676)
  Bottom Layer w10: v1(9215,1676) 9218.79,1676 9226.84,1684.05 R117.1@9265,1684.05
VCU_PWR: C29.2 IC6.17 LOW1.7 R100.2 | length 5328.9
  Top Layer w20: IC6.17@3726.77,1471.61 3727.5,1472.35 3763.42,1472.35 3785.68,1494.61
  Top Layer w40: 3782.79,1497.5 3800.29,1515 v2(3950,1515)
  Bottom Layer w40: v2(3950,1515) 4017,1515 4127.2,1404.8 6594.13,1404.8 6830.93,1168 7472.41,1168 7509.04,1131.37 8180.37,1131.37 8535.51,1486.51 LOW1.7@8730,1486.51
VCU_PWR_EN: CN3.29 R89.2 R98.2 | length 2782.8
  Top Layer w8: CN3.29@990.55,1606.3 v1@1062,1606.3 ; v1(1062,1607) 1106.6,1607 1375.6,1338 2414.39,1338 2563.39,1189 3183,1189 3323.24,1329.24 3323.24,1420.51 3351.24,1448.51 3351.24,1452.27 R98.2@3363.98,1465
  Bottom Layer w8: v1(1062,1607) 1066.33,1607 1077.88,1618.55 R89.2@1123.49,1618.55
VCU_UBR: C2.2 HIGH1.3 IC1.12 IC1.13 IC1.14 R15.2 | length 866.7
  Top Layer w60: 6173.71,1212.71 6212.42,1251.42 6361.96,1251.42
  Top Layer w65: 6361.96,1251.42 6437.13,1326.59 HIGH1.3@6444,1333.46
  Top Layer w100: 5938,764 5960,786 5960,999 6173.71,1212.71
VCU_UBR_CTRL: LOW2.12
VCU_UBR_EN: CN2.24 R9.2 R14.2 | length 2875.6
  Top Layer w8: CN2.24@2880.31,1448.82 2886.16,1442.98 2919.97,1442.98 2929.64,1433.31 v1(2954.31,1433.31) ; v1(5208.89,768.62) 5205.83,765.56 5205.83,752.53 5200.59,747.29 5200.59,711.45 5217.04,695 5265.54,695 5267.54,693 5274.52,693 5276.52,695 5344.5,695 5350.78,688.72 5366.76,688.72 5379.49,675.98 R14.2@5379.49,675
  Bottom Layer w8: v1(2954.31,1433.31) 2957.29,1436.29 2987.66,1436.29 2988.22,1436.85 3032.73,1436.85 3050.67,1418.9 3147.69,1418.9 3332.6,1234 4341.68,1234 4813.68,762 5180.07,762 5184.07,766 5206.27,766 v1(5208.89,768.62)
pads on no net: CN2.18 CN3.21 D1.2 D2.2 D3.2 D5.2 D6.2 D7.2 D8.2 D10.2 D13.2 D14.2 HIGH1.2 HIGH1.10 HIGH1.11 HIGH1.12 IC1.7 IC1.11 IC2.1 IC2.3 IC2.12 IC2.14 IC2.15 IC2.16 IC2.18 IC2.19 IC2.21 IC2.22 IC2.23 IC3.7 IC3.11 IC4.1 IC4.3 IC4.12 IC4.14 IC4.15 IC4.16 IC4.18 IC4.19 IC4.21 IC4.22 IC4.23 IC5.7 IC5.11 IC6.1 IC6.3 IC6.12 IC6.14 IC6.15 IC6.16 IC6.18 IC6.19 IC6.21 IC6.22 IC6.23 IC7.7 IC7.11 IC8.1 IC8.3 IC8.12 IC8.14 IC8.15 IC8.16 IC8.18 IC8.19 IC8.21 IC8.22 IC8.23 IC9.2 IC9.3 IC9.5 IC10.7 IC10.11 IC11.1 IC11.3 IC11.12 IC11.14 IC11.15 IC11.16 IC11.18 IC11.19 IC11.21 IC11.22 IC11.23 IC12.2 IC12.3 IC12.5 IC13.1 IC13.2 IC13.3 IC13.4 IC13.7 IC13.8 IC13.10 IC13.11 IC13.12 IC13.13 IC13.14 IC13.17 IC13.19 IC13.20 J2.3 J2.4 LOW1.2 LOW1.3 LOW1.13 LOW1.21 LOW1.22 LOW2.4 LOW2.19 LOW2.20 U2.0 U2.4 U3.0 U3.4 U4.0 U4.4 U7.0 U7.4
copper on no net:
  other v6: 905.51,1255.91 2795.28,1255.91
  other v7: 905.51,2051.18 2795.28,2051.18

## Polygon pours and split planes (outlines as drawn)
GND on Top Layer "NONET_L-01_P-002" (solid, remove dead copper, pour order 2): 467.5,3692.8 9613.5,3692.8 10103.5,3202.8 10103.5,-116.2 9858.5,-361.2 241.5,-361.2 -208.5,88.8 -208.5,3016.8
GND on Top Layer "NONET_L-01_P-001" (solid, pour order 5): 2283,837 2315,805 2315,684 2280,649 2108,649 2077,680 2077,807 2107,837
NetD4_1 on Top Layer "NONET_L-01_P-005" (solid, pour order 4): 2920,2842 2957,2842 2993,2878 2993,3128.68 3052.32,3188 3757,3188 3822,3123 3822,2747 3772,2697 3550,2697 3453,2794 3261,2794 3188,2721 3188,2657 3109,2578 2931,2578 2853,2656 2853,2775
GND on Bottom Layer "NONET_L-01_P-004" (solid, remove dead copper, pour order 1): 264,3642 9498,3642 9955,3185 9955,131 9543,-281 129,-281 -381,229 -381,2997
GND on POWER "NONET_L-01_P-001" (solid, pour order 6): 9484,3847 10386,2945 10386,-261 9839,-808 102,-808 -652,-54 -652,3047 148,3847

## Other copper
Top Layer:
  rectangle net GLVMS-: 3553,1102 3687,1143
  rectangle net GLVMS-1: 3553,1269 3687,1306
  rectangle net GLVMS-: 5499.81,90 5739.81,330
  rectangle net GLVMS-: 6819,90 7059,330
  rectangle net GLVMS-: 1474.81,90 1714.81,330
  rectangle net GLVMS-: 4859.02,90 5099.02,330
  rectangle net VBAT: 7010,2570 7250,2750
  rectangle net VBAT: 7010,1985 7250,2165
  rectangle net NetFU3_1: 7580,483 7820,723
  rectangle net NetFU3_1: 7580,1610 7820,1850
  rectangle net VBAT: 6826,2990 7066,3230
  rectangle net VBAT: 4156,2990 4396,3230
  rectangle net GLVMS-: 3499.02,90 3739.02,330
  region net DRS_PWR_8V_a: 5685,545 5696,556 5748.3,556 5762,542.3 5762,531 5771,522 5913,522 5936,499 5936,475.7 5871.3,411 5708,411 5684,435 5685,436
  region net H2_24V_Backup: 5742,1706 5908,1706 5932,1682 5932,1610 5898,1576 5775,1576 5769,1570 5769,1561 5756,1548 5700,1548 5690,1558 5690,1654
  region net VCU_UBR: 5739,798 5941,798 5972,767 5972,728 5942,698 5911,698 5874,661 5775,661 5757,643 5748,634 5695,634 5689,640 5689,748
  region net PUMP_PWR: 5051,1188 5060,1197 5118,1197 5128,1187 5128,1162 5139,1151 5302,1151 5316,1137 5316,1046 5304,1034 5090,1034 5051,1073
  region net H1_24V_Backup: 5060,1387 5302,1387 5342,1347 5342,1302 5329,1289 5134,1289 5103,1258 5054,1258 5048,1264 5048,1375
  region net FAN2_PWR: 5060,2006 5115,2006 5128,1993 5128,1963 5139,1952 5262,1952 5299,1915 5299,1879.7 5261.3,1842 5095,1842 5051,1886 5051,1997
  region net FAN3_PWR: 5050,2192 5070,2212 5296,2212 5341,2167 5341,2140 5290,2089 5137,2089 5130,2082 5130,2067 5122,2059 5059,2059 5050,2068
  region net FAN1_PWR: 5702,1480 5758,1480 5770,1468 5770,1445 5775,1440 5902,1440 5916,1426 5916,1391 5898,1373 5845.62,1320.62 5704.57,1320.62 5690,1335.19 5690,1468
  region net IL+_PWR: 5707,2408 5752,2408 5772,2388 5772,2368 5784,2356 5890,2356 5987,2259 5987,2233 5956,2202 5735,2202 5693,2244 5693,2394
  region net H3_24V_Backup: 5695,2584 5720,2609 5933,2609 6027,2515 6027,2441 5997,2411 5936,2411 5915,2432 5915,2489 5897,2507 5784,2507 5767,2490 5767,2466 5762,2461 5710,2461 5695,2476
  region net NetC55_2: 6019.12,525 6093,525 6121.5,496.5 6121.5,475.5 6164,433 6261,433 6436,608 6781,608 6848,541 6848,412 6583,147 6043,147 5928,262 5928,437.93
  region net VBAT: 3894,3246 4286,3246 4330,3202 4330,2993 4303,2966 3888,2966 3851,3003 3851,3203
  region net BATTERY_1: 3905.88,2947 4447,2947 4498,2896 4498,2657 4457,2616 3927,2616 3851,2692 3851,2895.46
  region net NetFU3_1: 7577.58,723.41 7901.33,723.41 7974.33,650.41 7974.33,166.41 7901.33,93.41 7602.33,93.41 7529.33,166.41 7529.33,675.64
  region net GLVMS-: 6978.3,728 7426,728 7495,659 7495,170 7418,93 6897,93 6897,645.36
  region net VBAT: 6826,3230 7418,3230 7547,3101 7547,2729 7388,2570 6980,2570 6826,2724
  region net BATTERY_2: 5085,3167 5160,3092 5160,2719 5082,2641 4600,2641 4526,2715 4526,3096 4597,3167
  region net DCDC_IN: 8108.27,771 8823,771 8911,683 8911,176 8828,93 8073,93 8005,161 8005,660.23
  region net DRS_PWR_8V: 6575.49,1158 6777,1158 6876,1059 6876,835 6784,743 6603,743 6439,907 6439,1038.94
  region net VBAT: 7620,2151 7670,2101 7670,1913 7629,1872 7033,1872 6967,1938 6967,2110 7008,2151
  region net NetFU3_1: 7035,1849 7756,1849 7820,1785 7820,1478 7772,1430 7063,1430 6966,1527 6966,1780
POWER:
  region net GLVMS-: 4846,476 4917,547 5707,547 5766,488 5766,120 5732,86 4915.09,86 4846,155.09 4846,428
  region net GLVMS-: 5464,162 5514,112 5739,112 5792,165 5792,2466 5739,2519 5536,2519 5464,2447
Bottom Layer:
  region net VBAT: 3894,3246 4286,3246 4330,3202 4330,2993 4303,2966 3888,2966 3851,3003 3851,3203
  region net NetD4_1: 3742,2698 3601,2698 3534,2765 3534,2906
  region net NetD4_1: 3053.32,3189 3758,3189 3830,3117 3830,2755 3773,2698 3742,2698 3456,2984 3389,2984 3189,2784 3189,2658 3136,2605 2906,2605 2854,2657 2854,2776 2921,2843 2958,2843 2994,2879 2994,3129.68
  region net BATTERY_1: 3905.88,2947 4447,2947 4498,2896 4498,2707 4450,2659 3901,2659 3851,2709 3851,2895.46
  region net NetFU3_1: 7616.48,604 7888,604 7974,518 7974,166 7901,93 7602,93 7529,166 7529,517.39
  region net DCDC_IN: 8091.75,607 8822,607 8911,518 8911,176 8828,93 8073,93 8005,161 8005,513.95
  region net GLVMS-: 7045.33,600 7414,600 7495.32,518.68 7495.32,170.32 7418.12,93.12 6897,93.12 6897,449.21
  region net VBAT: 6826,3230 7461,3230 7547,3144 7547,2820 7469,2742 6900,2742 6826,2816
  region net BATTERY_2: 5083,3169 5160,3092 5160,2719 5082,2641 4600,2641 4526,2715 4526,3097 4598,3169

## Silkscreen, mask and mechanical layers (free items; w line width, h text height)
Top Overlay:
  lines w10: 748.03,905.51 2952.76,905.51 2952.76,2401.57 748.03,2401.57 748.03,905.51 ; 1744,131 6789,131 6789,291 1744,291 1744,131 ; 4409,3017 6809,3017 6809,3198 4409,3198 4409,3017 ; 7040,2184 7218,2184 7218,2555 7040,2555 7040,2184 ; 7627,744 7773,744 7773,1412 7627,1412 7627,744
Bottom Overlay:
  drawing of 9 lines, arcs and shapes, not listed
  text "RST按键" at 1134,3152.62 h100 r180
  text "电池指示灯" at 5667,2798.6 h100 r180
  text "上电指示灯" at 6158,2796.6 h100 r180
  text "PDB工作指示灯" at 1541,2503.6 h100 r180
  text "VCU_BOOT按键" at 9030.09,1910.6 h100 r180
  text "点火按键" at 92.09,1898.62 h100 r180
  text "4G模块" at 1531,1717.16 h200 r180
Top Solder:
  rectangle: 3557,1102 3684,1140
  rectangle: 3555,1272 3685,1298
  lines w3: 7301.57,862.8 7498.43,862.8
  lines w50: 5221,1924 5446,1924 5530,2008 6100.18,2008 6106.18,2002 6278.65,1829.54 ; 5221,2121 5403,2121 5414,2110 6148,2110 6263.12,1994.88 6278.65,1994.88 ; 5231,1125 5266,1090 5515,1090 5869,1090 6277.82,1498.82 6278.65,1498.82 ; 5233,1315 5318,1315 5450,1183 5801,1183 6199,1581 6361.82,1581 6444,1498.82 ; 5855,690 5855,691 5953,789 5953,989 6216,1252 6362.54,1252 6444,1333.46 ; 5864,1406 5887,1406 6145.18,1664.18 6278.65,1664.18 ; 5866,1608 5901,1608 6038,1745 6363.17,1745 6444,1664.17 ; 5871,2328 5974,2225 6213.88,2225 6278.65,2160.23 ; 5871,2537 5929,2537 6022,2444 6140.41,2325.59 6278.65,2325.59 ; 6282.32,2156.32 6282.32,2156.06 6282.32,2162.32 ; 6436,1660 6447.68,1660 ; 6445.35,1494.65 6447.68,1494.65 ; 6447.68,1822.32 6447.68,1825.35 6449.65,1825.35 6449.65,1824.35 ; 6447.68,2321.42 6448.58,2321.42
  lines w80: 1590,2653 1597,2660 ; 1597,2749 1597,2825 1664,2892 1664,2908 ; 1598,324 1598,325 1598,476 ; 1603,582 1603,691 1674.5,762.5 ; 3621,1342 3621,1454 ; 3624,1610 3624,1674 3702,1752 ; 3626,2118 3626,2232 ; 3627,590 3627,710 3627,926 3689,988 ; 3631,2430 3631,2486 3693,2548 ; 3638,1845 3705,1778 3705,1776 ; 3643,1066 3685,1024 ; 4984,1335 4984,1412 ; 4985,1176 4985,1045 5055,975 ; 4986,1897 4986,1842 5064,1764 5003,1703 5003,1689 ; 5619,316 5620,495 ; 5620,699 5620,770 5695,845 5695,904 5634,965 5634,977 ; 5622,1410 5623,1293 ; 5623,1625 5623,1683 5691,1751 5691,1773 5691,1793 5630,1854 5630,1895 ; 5627,2218 5627,2339 ; 5628,2559 5628,2606 5695,2673
  lines w150: 3624,223 3624,521 ; 4978,216 4978,771 4978,795 5090,907 ; 5620,228 5620,346
  lines w200: 1600,205 6939,205 7110,376 7187,376 ; 3015.02,2680.78 3015.02,2767.02 3333,3085 3689,3085 3689,2849 ; 3957,3106 4280,3106 6919,3106 ; 3963.56,2838.44 4376.54,2838.44 ; 4660,2838.44 5031,2838.44 ; 6942,3113 7119.22,3113 7277.43,2954.8 7277.43,2801.43 7149.5,2673.5 ; 7101,1975 7389,1975 ; 7106,1734 7702,1734 ; 7129,2128 7129,2643 ; 7699,603 7699,411.55 7743.55,367 7852,367 ; 7703,617 7703,1733 ; 8112,372 8671,372
Mechanical 1:
  the board outline again, w30

## Text inside footprints (layer, text, board x,y; h text height)
OP1: Top Overlay "*" at 6208.5,2918 h31.5; Mechanical 13 "*" at 6273,2882.5 h31.5
OP2: Top Overlay "*" at 6208.5,2705.44 h31.5; Mechanical 13 "*" at 6273,2669.94 h31.5